# KiCad board JumperlessV5r7.kicad_pcb
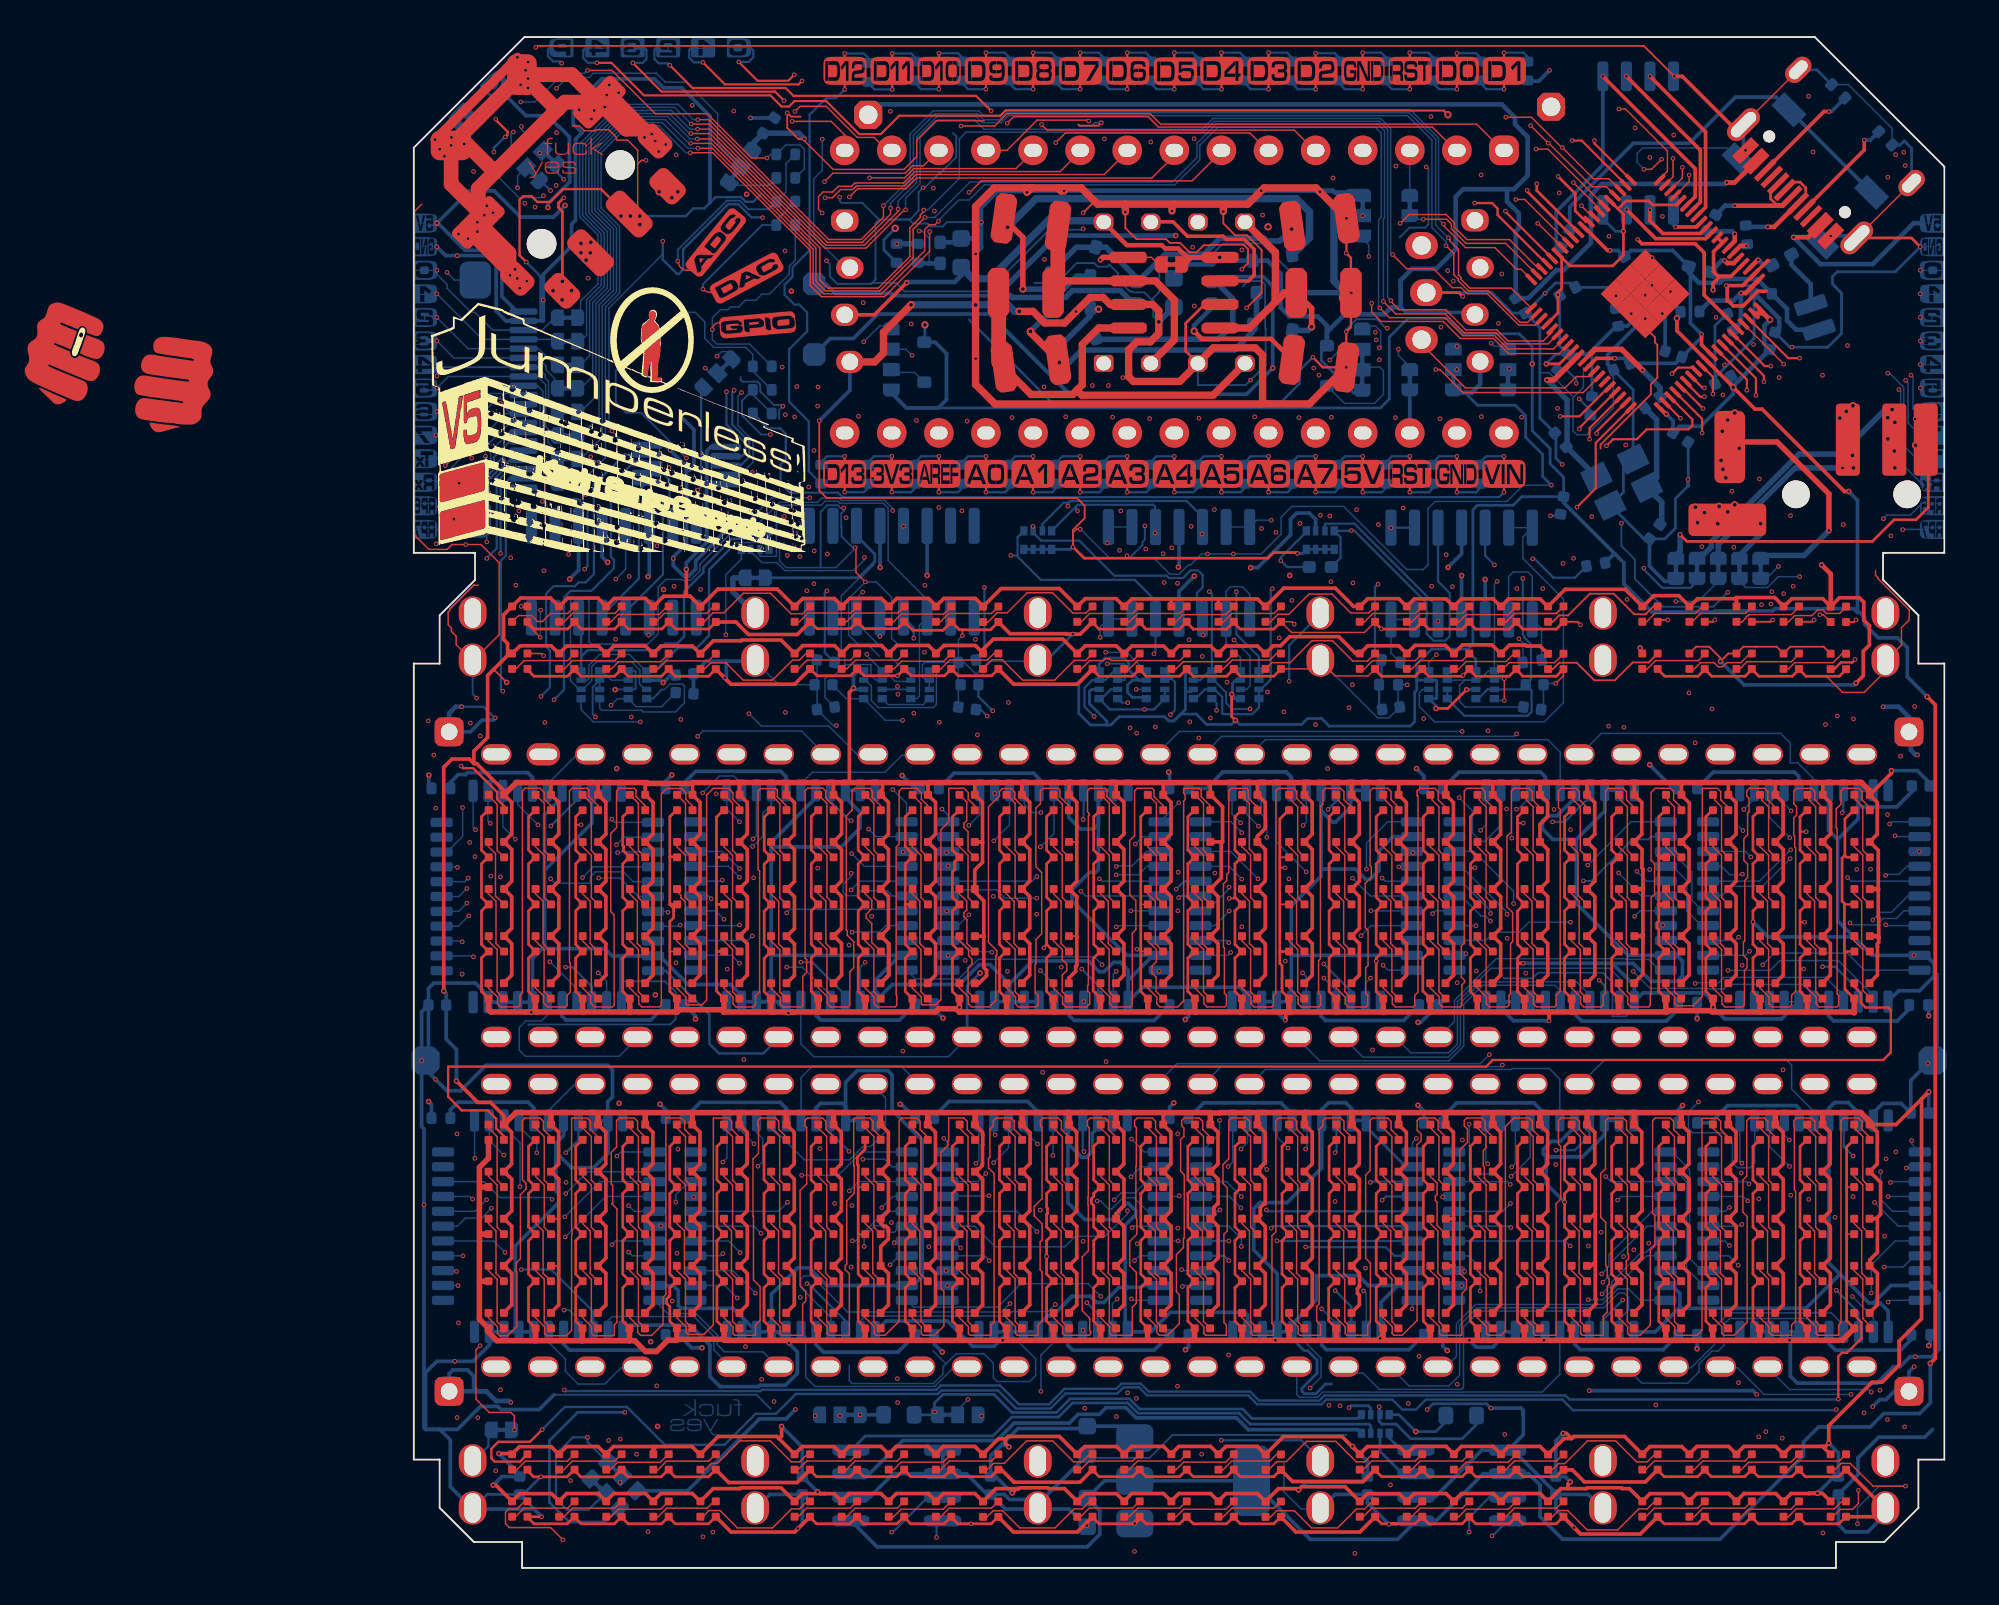
[diagram p0: board, top side]
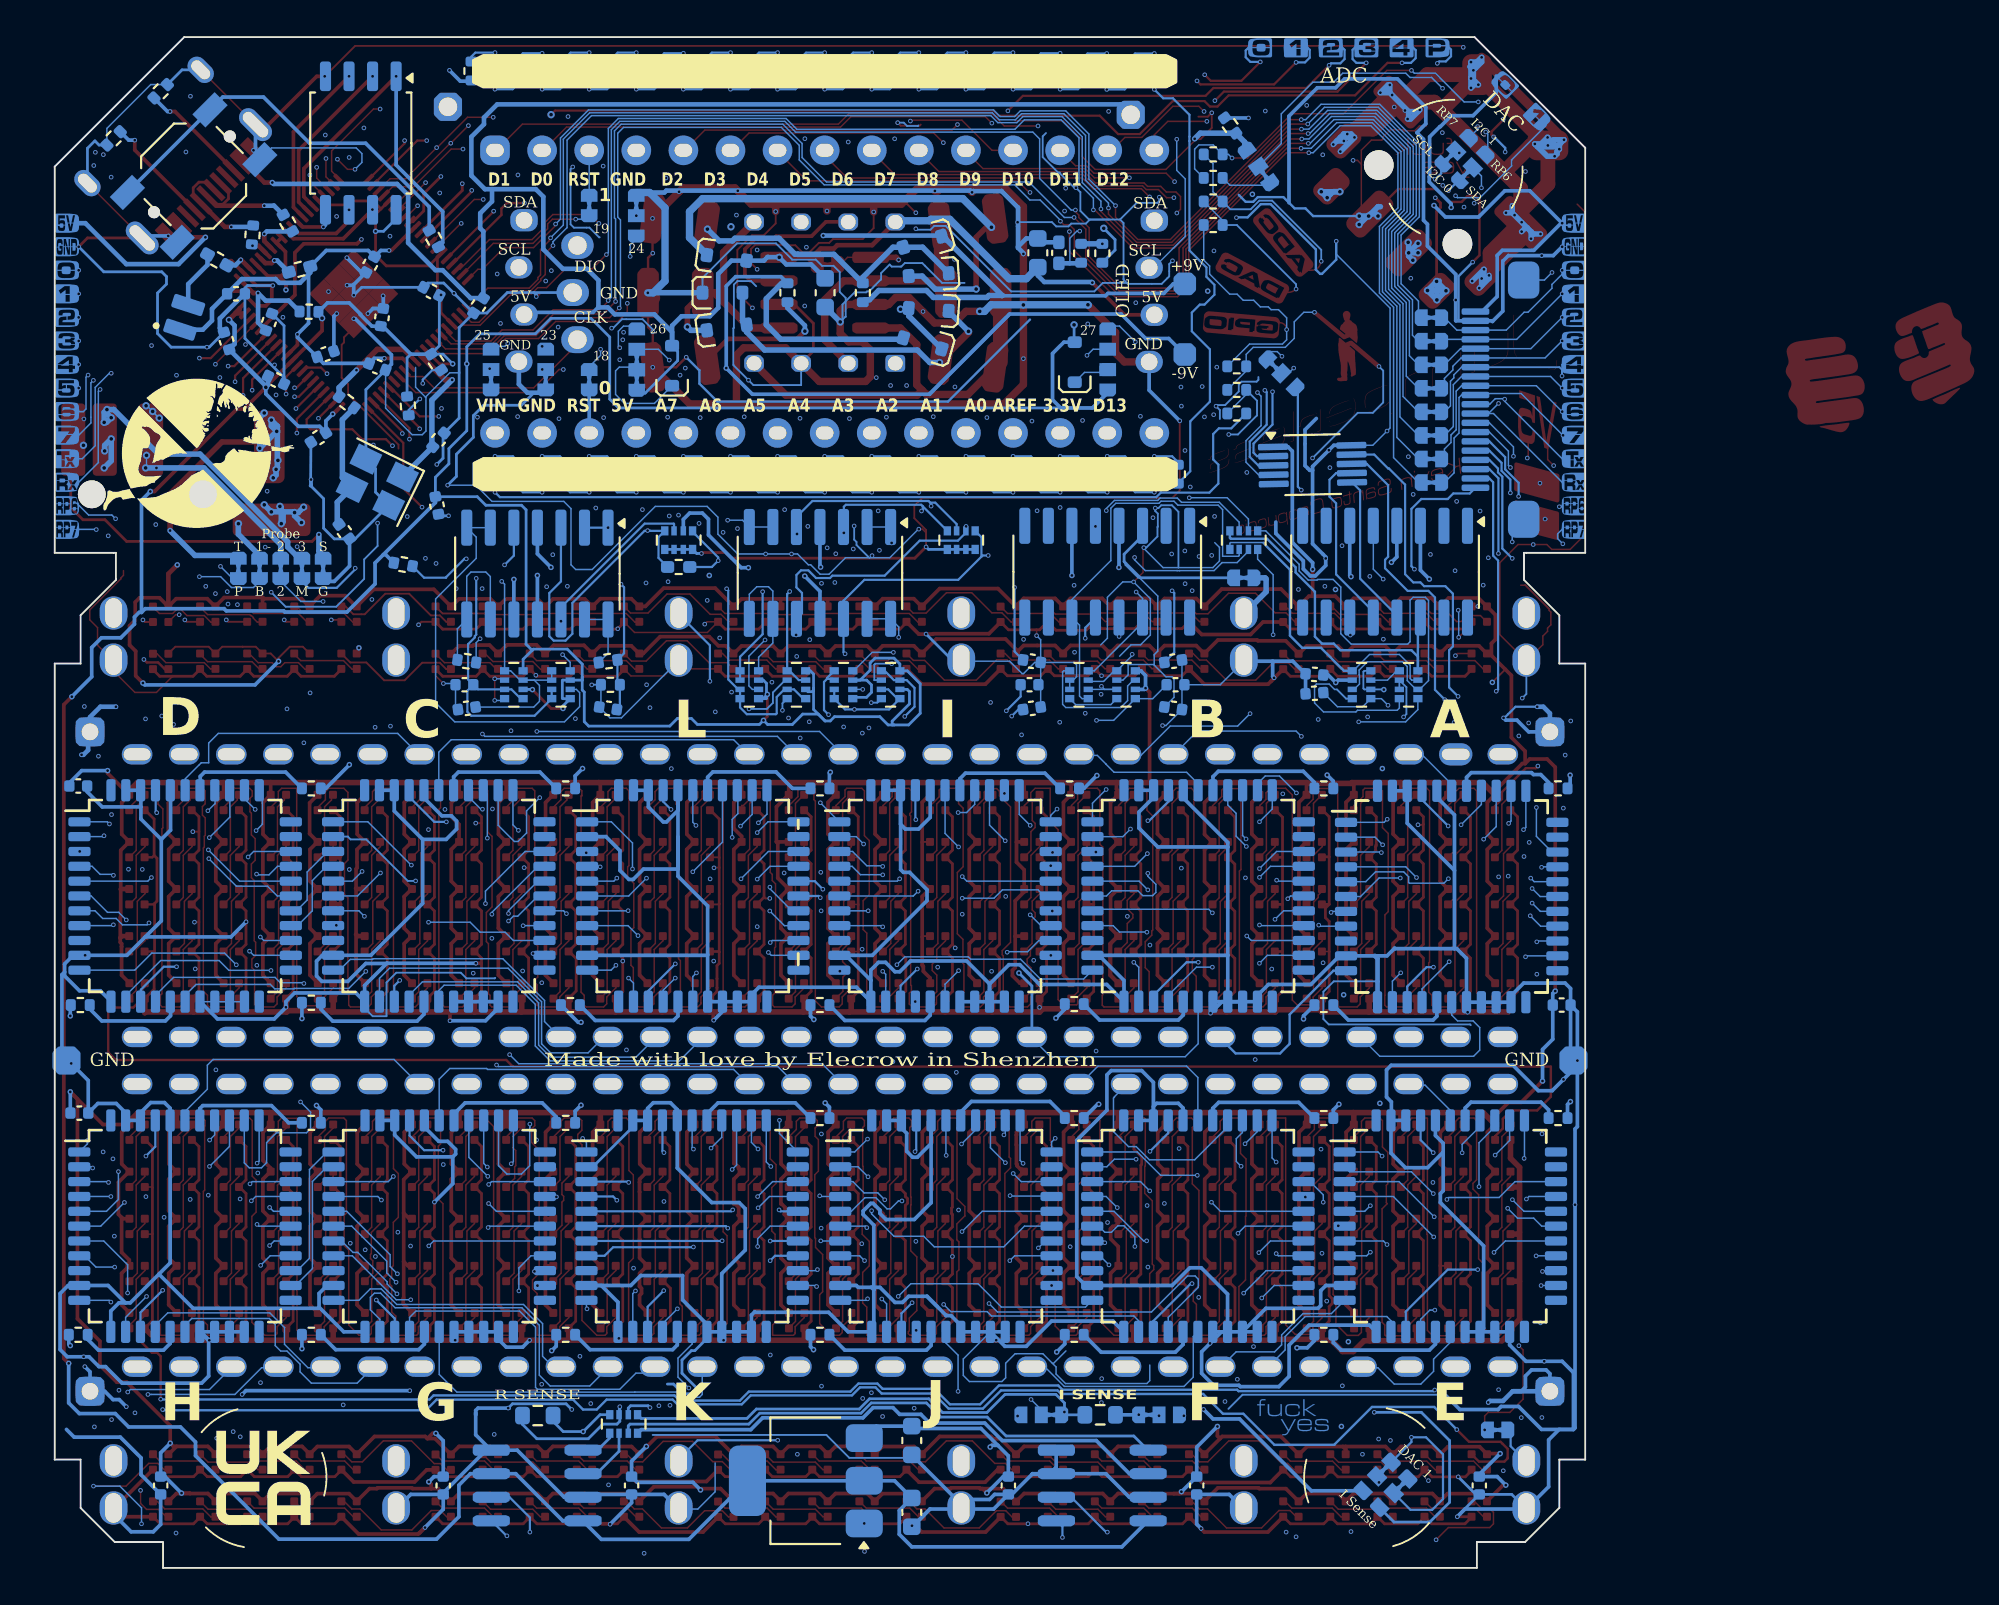
[diagram p1: board, bottom side, seen from below]

Outline 82.55 x 82.55 mm; copper layers: Top, In1.Cu, In2.Cu, Bottom. Coordinates in mm from the lower left corner of the outline.
Outline path: 0,54.74 0,76.58 5.97,82.55 75.56,82.55 82.55,75.57 82.55,54.74 79.25,54.74 79.25,53.28 81.15,51.37 81.15,48.77 82.55,48.77 82.55,5.84 81.15,5.84 81.15,3.24 79.31,1.4 76.71,1.4 76.71,0 5.84,0 5.84,1.4 3.24,1.4 1.4,3.24 1.4,5.84 0,5.84 0,48.77 1.4,48.77 1.4,51.37 3.3,53.28 3.3,54.74 0,54.74
Stack: Top 0.035mm / dielectric 0.1mm FR4 er 4.5 / In1.Cu 0.035mm / dielectric 1.24mm FR4 er 4.5 / In2.Cu 0.035mm / dielectric 0.1mm FR4 er 4.5 / Bottom 0.035mm

## Placement (name value [footprint] x y rotation side)
A1  Arduino_Nano_v3.x  [Arduino_Nano]  58.8 76.44 270 top
A2  CH446Q  [LQFP44_Tight]  6.79 36.61 180 bottom
B1  CH446Q  [LQFP44_Tight]  20.47 36.63 180 bottom
C1  100uF  [1210CAP]  48.83 72.57 8 top
C2  10uF  [1210CAP]  33.27 72.57 352 top
C3  10uF  [1210CAP]  33.02 68.76 180 top
C4  100uF  [1210CAP]  49.09 68.76 180 top
C5  10uF  [1210CAP]  33.27 64.95 8 top
C6  100uF  [1210CAP]  48.83 64.95 172 top
C7  10uF  [C_0603_1608Metric]  36.32 6.87 270 bottom
C8  10uF  [C_0603_1608Metric]  36.32 3 270 bottom
C9  10uF  [C_0603_1608Metric]  41 68.77 270 bottom
C10  .1uF  [C_0402_1005Metric]  14.61 47.17 356 bottom
C11  10uF  [C_0603_1608Metric]  29.52 70.92 90 bottom
C13  27p  [C_0402_1005Metric]  61.85 60.83 130 bottom
C14  27p  [C_0402_1005Metric]  66.93 55.88 234 bottom
C15  .1uF  [C_0402_1005Metric]  14.61 48.18 4 bottom
C16  4.7uF  [C_0402_1005Metric]  73.28 66.17 73 bottom
C18  1uF  [C_0402_1005Metric]  68.33 60.96 327.5 bottom
C19  1uF  [C_0402_1005Metric]  70.61 64.06 206 bottom
C20  1uF  [C_0402_1005Metric]  62.23 68.83 27.5 bottom
C21  1uF  [C_0402_1005Metric]  61.93 57.29 260 bottom
C22  .1uF  [C_0402_1005Metric]  64.9 67.44 98 bottom
C23  27p  [C_0402_1005Metric]  60.33 46.36 352 bottom
C24  27p  [C_0402_1005Metric]  60.45 47.62 0 bottom
C25  4.7uF  [C_0402_1005Metric]  72.77 68.71 180 bottom
C26  CH446Q  [LQFP44_Tight]  61.43 36.64 180 bottom
C27  .1uF  [C_0402_1005Metric_Pad0.74x0.62mm_HandSolder]  28.39 70.92 90 bottom
C28  1uF  [C_0402_1005Metric]  61.59 4.44 270 bottom
C29  1uF  [C_0402_1005Metric]  31.11 4.44 270 bottom
C30  1uF  [C_0402_1005Metric]  5.71 4.44 270 bottom
C31  1uF  [C_0402_1005Metric]  76.84 4.44 270 bottom
C32  1uF  [C_0402_1005Metric]  51.44 4.44 270 bottom
C33  1uF  [C_0402_1005Metric]  20.96 4.44 270 bottom
C34  1uF  [C_0402_1005Metric]  81.28 42.16 180 bottom
C35  1uF  [C_0402_1005Metric]  81.22 24.53 180 bottom
C36  1uF  [C_0402_1005Metric]  1.27 30.35 180 bottom
C37  1uF  [C_0402_1005Metric]  59.69 68.07 303 bottom
C38  .1uF  [C_0402_1005Metric]  67.95 65.46 161 bottom
C39  4.7uF  [C_0402_1005Metric]  70.99 67.18 110 bottom
C40  4.7uF  [C_0402_1005Metric]  65.53 70.28 299 bottom
C41  .1uF  [C_0402_1005Metric]  65.15 64.77 201 bottom
C42  27p  [C_0402_1005Metric]  29.85 46.36 172 bottom
C43  27p  [C_0402_1005Metric]  29.97 47.62 180 bottom
C44  27p  [C_0402_1005Metric]  22.22 48.9 172 bottom
C45  27p  [C_0402_1005Metric]  29.85 48.9 188 bottom
C46  .1uF  [C_0402_1005Metric]  52.7 46.36 8 bottom
C1806  1uF  [C_0402_1005Metric]  22.22 46.36 188 bottom
C1807  1uF  [C_0402_1005Metric]  22.1 47.62 180 bottom
D2  1N5819  [D_SOD-323]  27.53 65.02 90 bottom
D3  1N5819  [D_SOD-323]  49.25 64.83 90 bottom
D4  1N4148  [D_SOD-323]  35.74 66.03 16 bottom
D6  1N4148  [D_SOD-323]  35.41 69.74 356 bottom
D7  1N4148  [D_SOD-323]  35.74 71.52 344 bottom
D62  1N5819  [D_SOD-323]  46.3 70.64 188 bottom
D65  1N5819  [D_SOD-323]  46.31 66.89 172 bottom
D67  1N4148  [D_SOD-323]  35.41 67.86 4 bottom
D68  1N5819  [D_SOD-323]  46.53 68.77 180 bottom
D70  CH446Q  [LQFP44_Tight]  75.11 36.63 180 bottom
D1011  WS2812B  [XL-1010RGBC-WS2812B]  4.46 41.28 0 top
D1012  WS2812B  [XL-1010RGBC-WS2812B]  4.46 38.74 0 top
D1013  WS2812B  [XL-1010RGBC-WS2812B]  4.46 36.2 0 top
D1014  WS2812B  [XL-1010RGBC-WS2812B]  4.46 33.66 0 top
D1015  WS2812B  [XL-1010RGBC-WS2812B]  4.45 31.12 0 top
D1021  WS2812B  [XL-1010RGBC-WS2812B]  6.99 41.28 0 top
D1022  WS2812B  [XL-1010RGBC-WS2812B]  6.99 38.74 0 top
D1023  WS2812B  [XL-1010RGBC-WS2812B]  6.99 36.2 0 top
D1024  WS2812B  [XL-1010RGBC-WS2812B]  6.99 33.66 0 top
D1025  WS2812B  [XL-1010RGBC-WS2812B]  6.97 31.12 0 top
D1031  WS2812B  [XL-1010RGBC-WS2812B]  9.53 41.28 0 top
D1032  WS2812B  [XL-1010RGBC-WS2812B]  9.53 38.74 0 top
D1033  WS2812B  [XL-1010RGBC-WS2812B]  9.53 36.2 0 top
D1034  WS2812B  [XL-1010RGBC-WS2812B]  9.53 33.66 0 top
D1035  WS2812B  [XL-1010RGBC-WS2812B]  9.53 31.12 0 top
D1041  WS2812B  [XL-1010RGBC-WS2812B]  12.07 41.28 0 top
D1042  WS2812B  [XL-1010RGBC-WS2812B]  12.07 38.74 0 top
D1043  WS2812B  [XL-1010RGBC-WS2812B]  12.07 36.2 0 top
D1044  WS2812B  [XL-1010RGBC-WS2812B]  12.07 33.66 0 top
D1045  WS2812B  [XL-1010RGBC-WS2812B]  12.07 31.12 0 top
D1051  WS2812B  [XL-1010RGBC-WS2812B]  14.62 41.28 0 top
D1052  WS2812B  [XL-1010RGBC-WS2812B]  14.62 38.74 0 top
D1053  WS2812B  [XL-1010RGBC-WS2812B]  14.62 36.2 0 top
D1054  WS2812B  [XL-1010RGBC-WS2812B]  14.62 33.66 0 top
D1055  WS2812B  [XL-1010RGBC-WS2812B]  14.61 31.12 0 top
D1061  WS2812B  [XL-1010RGBC-WS2812B]  17.16 41.28 0 top
D1062  WS2812B  [XL-1010RGBC-WS2812B]  17.16 38.74 0 top
D1063  WS2812B  [XL-1010RGBC-WS2812B]  17.16 36.2 0 top
D1064  WS2812B  [XL-1010RGBC-WS2812B]  17.16 33.66 0 top
D1065  WS2812B  [XL-1010RGBC-WS2812B]  17.14 31.12 0 top
D1071  WS2812B  [XL-1010RGBC-WS2812B]  19.68 41.28 0 top
D1072  WS2812B  [XL-1010RGBC-WS2812B]  19.68 38.74 0 top
D1073  WS2812B  [XL-1010RGBC-WS2812B]  19.68 36.2 0 top
D1074  WS2812B  [XL-1010RGBC-WS2812B]  19.68 33.66 0 top
D1075  WS2812B  [XL-1010RGBC-WS2812B]  19.68 31.12 0 top
D1081  WS2812B  [XL-1010RGBC-WS2812B]  22.22 41.28 0 top
D1082  WS2812B  [XL-1010RGBC-WS2812B]  22.22 38.74 0 top
D1083  WS2812B  [XL-1010RGBC-WS2812B]  22.22 36.2 0 top
D1084  WS2812B  [XL-1010RGBC-WS2812B]  22.22 33.66 0 top
D1085  WS2812B  [XL-1010RGBC-WS2812B]  22.22 31.12 0 top
D1091  WS2812B  [XL-1010RGBC-WS2812B]  24.78 41.28 0 top
D1092  WS2812B  [XL-1010RGBC-WS2812B]  24.78 38.74 0 top
D1093  WS2812B  [XL-1010RGBC-WS2812B]  24.78 36.2 0 top
D1094  WS2812B  [XL-1010RGBC-WS2812B]  24.78 33.66 0 top
D1095  WS2812B  [XL-1010RGBC-WS2812B]  24.76 31.12 0 top
D1101  WS2812B  [XL-1010RGBC-WS2812B]  27.32 41.28 0 top
D1102  WS2812B  [XL-1010RGBC-WS2812B]  27.32 38.74 0 top
D1103  WS2812B  [XL-1010RGBC-WS2812B]  27.32 36.2 0 top
D1104  WS2812B  [XL-1010RGBC-WS2812B]  27.32 33.66 0 top
D1105  WS2812B  [XL-1010RGBC-WS2812B]  27.31 31.12 0 top
D1111  WS2812B  [XL-1010RGBC-WS2812B]  29.85 41.28 0 top
D1112  WS2812B  [XL-1010RGBC-WS2812B]  29.85 38.74 0 top
D1113  WS2812B  [XL-1010RGBC-WS2812B]  29.85 36.2 0 top
D1114  WS2812B  [XL-1010RGBC-WS2812B]  29.85 33.66 0 top
D1115  WS2812B  [XL-1010RGBC-WS2812B]  29.85 31.12 0 top
D1121  WS2812B  [XL-1010RGBC-WS2812B]  32.39 41.28 0 top
D1122  WS2812B  [XL-1010RGBC-WS2812B]  32.39 38.74 0 top
D1123  WS2812B  [XL-1010RGBC-WS2812B]  32.39 36.2 0 top
D1124  WS2812B  [XL-1010RGBC-WS2812B]  32.39 33.66 0 top
D1125  WS2812B  [XL-1010RGBC-WS2812B]  32.39 31.12 0 top
D1131  WS2812B  [XL-1010RGBC-WS2812B]  34.92 41.28 0 top
D1132  WS2812B  [XL-1010RGBC-WS2812B]  34.92 38.74 0 top
D1133  WS2812B  [XL-1010RGBC-WS2812B]  34.92 36.2 0 top
D1134  WS2812B  [XL-1010RGBC-WS2812B]  34.92 33.66 0 top
D1135  WS2812B  [XL-1010RGBC-WS2812B]  34.91 31.12 0 top
D1141  WS2812B  [XL-1010RGBC-WS2812B]  37.47 41.28 0 top
D1142  WS2812B  [XL-1010RGBC-WS2812B]  37.47 38.74 0 top
D1143  WS2812B  [XL-1010RGBC-WS2812B]  37.47 36.2 0 top
D1144  WS2812B  [XL-1010RGBC-WS2812B]  37.47 33.66 0 top
D1145  WS2812B  [XL-1010RGBC-WS2812B]  37.45 31.12 0 top
D1151  WS2812B  [XL-1010RGBC-WS2812B]  40.01 41.28 0 top
D1152  WS2812B  [XL-1010RGBC-WS2812B]  40.01 38.74 0 top
D1153  WS2812B  [XL-1010RGBC-WS2812B]  40.01 36.2 0 top
D1154  WS2812B  [XL-1010RGBC-WS2812B]  40.01 33.66 0 top
D1155  WS2812B  [XL-1010RGBC-WS2812B]  40.01 31.12 0 top
D1161  WS2812B  [XL-1010RGBC-WS2812B]  42.55 41.28 0 top
D1162  WS2812B  [XL-1010RGBC-WS2812B]  42.55 38.74 0 top
D1163  WS2812B  [XL-1010RGBC-WS2812B]  42.55 36.2 0 top
D1164  WS2812B  [XL-1010RGBC-WS2812B]  42.55 33.66 0 top
D1165  WS2812B  [XL-1010RGBC-WS2812B]  42.55 31.12 0 top
D1171  WS2812B  [XL-1010RGBC-WS2812B]  45.09 41.28 0 top
D1172  WS2812B  [XL-1010RGBC-WS2812B]  45.09 38.74 0 top
D1173  WS2812B  [XL-1010RGBC-WS2812B]  45.09 36.2 0 top
D1174  WS2812B  [XL-1010RGBC-WS2812B]  45.09 33.66 0 top
D1175  WS2812B  [XL-1010RGBC-WS2812B]  45.07 31.12 0 top
D1181  WS2812B  [XL-1010RGBC-WS2812B]  47.62 41.28 0 top
D1182  WS2812B  [XL-1010RGBC-WS2812B]  47.62 38.74 0 top
D1183  WS2812B  [XL-1010RGBC-WS2812B]  47.62 36.2 0 top
D1184  WS2812B  [XL-1010RGBC-WS2812B]  47.62 33.66 0 top
D1185  WS2812B  [XL-1010RGBC-WS2812B]  47.61 31.12 0 top
D1191  WS2812B  [XL-1010RGBC-WS2812B]  50.17 41.28 0 top
D1192  WS2812B  [XL-1010RGBC-WS2812B]  50.17 38.74 0 top
D1193  WS2812B  [XL-1010RGBC-WS2812B]  50.17 36.2 0 top
D1194  WS2812B  [XL-1010RGBC-WS2812B]  50.17 33.66 0 top
D1195  WS2812B  [XL-1010RGBC-WS2812B]  50.17 31.12 0 top
D1201  WS2812B  [XL-1010RGBC-WS2812B]  52.7 41.28 0 top
D1202  WS2812B  [XL-1010RGBC-WS2812B]  52.7 38.74 0 top
D1203  WS2812B  [XL-1010RGBC-WS2812B]  52.7 36.2 0 top
D1204  WS2812B  [XL-1010RGBC-WS2812B]  52.7 33.66 0 top
D1205  WS2812B  [XL-1010RGBC-WS2812B]  52.7 31.12 0 top
D1211  WS2812B  [XL-1010RGBC-WS2812B]  55.25 41.28 0 top
D1212  WS2812B  [XL-1010RGBC-WS2812B]  55.25 38.74 0 top
D1213  WS2812B  [XL-1010RGBC-WS2812B]  55.25 36.2 0 top
D1214  WS2812B  [XL-1010RGBC-WS2812B]  55.25 33.66 0 top
D1215  WS2812B  [XL-1010RGBC-WS2812B]  55.23 31.12 0 top
D1221  WS2812B  [XL-1010RGBC-WS2812B]  57.79 41.28 0 top
D1222  WS2812B  [XL-1010RGBC-WS2812B]  57.79 38.74 0 top
D1223  WS2812B  [XL-1010RGBC-WS2812B]  57.79 36.2 0 top
D1224  WS2812B  [XL-1010RGBC-WS2812B]  57.79 33.66 0 top
D1225  WS2812B  [XL-1010RGBC-WS2812B]  57.77 31.12 0 top
D1231  WS2812B  [XL-1010RGBC-WS2812B]  60.33 41.28 0 top
D1232  WS2812B  [XL-1010RGBC-WS2812B]  60.33 38.74 0 top
D1233  WS2812B  [XL-1010RGBC-WS2812B]  60.33 36.2 0 top
D1234  WS2812B  [XL-1010RGBC-WS2812B]  60.33 33.66 0 top
D1235  WS2812B  [XL-1010RGBC-WS2812B]  60.33 31.12 0 top
D1241  WS2812B  [XL-1010RGBC-WS2812B]  62.87 41.28 0 top
D1242  WS2812B  [XL-1010RGBC-WS2812B]  62.87 38.74 0 top
D1243  WS2812B  [XL-1010RGBC-WS2812B]  62.87 36.2 0 top
D1244  WS2812B  [XL-1010RGBC-WS2812B]  62.87 33.66 0 top
D1245  WS2812B  [XL-1010RGBC-WS2812B]  62.87 31.12 0 top
D1251  WS2812B  [XL-1010RGBC-WS2812B]  65.42 41.28 0 top
D1252  WS2812B  [XL-1010RGBC-WS2812B]  65.42 38.74 0 top
D1253  WS2812B  [XL-1010RGBC-WS2812B]  65.42 36.2 0 top
D1254  WS2812B  [XL-1010RGBC-WS2812B]  65.42 33.66 0 top
D1255  WS2812B  [XL-1010RGBC-WS2812B]  65.41 31.12 0 top
D1261  WS2812B  [XL-1010RGBC-WS2812B]  67.96 41.28 0 top
D1262  WS2812B  [XL-1010RGBC-WS2812B]  67.96 38.74 0 top
D1263  WS2812B  [XL-1010RGBC-WS2812B]  67.96 36.2 0 top
D1264  WS2812B  [XL-1010RGBC-WS2812B]  67.96 33.66 0 top
D1265  WS2812B  [XL-1010RGBC-WS2812B]  67.95 31.12 0 top
D1271  WS2812B  [XL-1010RGBC-WS2812B]  70.48 41.28 0 top
D1272  WS2812B  [XL-1010RGBC-WS2812B]  70.48 38.74 0 top
D1273  WS2812B  [XL-1010RGBC-WS2812B]  70.48 36.2 0 top
D1274  WS2812B  [XL-1010RGBC-WS2812B]  70.48 33.66 0 top
D1275  WS2812B  [XL-1010RGBC-WS2812B]  70.48 31.12 0 top
D1281  WS2812B  [XL-1010RGBC-WS2812B]  73.03 41.28 0 top
D1282  WS2812B  [XL-1010RGBC-WS2812B]  73.03 38.74 0 top
D1283  WS2812B  [XL-1010RGBC-WS2812B]  73.03 36.2 0 top
D1284  WS2812B  [XL-1010RGBC-WS2812B]  73.03 33.66 0 top
D1285  WS2812B  [XL-1010RGBC-WS2812B]  73.03 31.12 0 top
D1291  WS2812B  [XL-1010RGBC-WS2812B]  75.58 41.28 0 top
D1292  WS2812B  [XL-1010RGBC-WS2812B]  75.58 38.74 0 top
D1293  WS2812B  [XL-1010RGBC-WS2812B]  75.58 36.2 0 top
D1294  WS2812B  [XL-1010RGBC-WS2812B]  75.58 33.66 0 top
D1295  WS2812B  [XL-1010RGBC-WS2812B]  75.56 31.12 0 top
D1301  WS2812B  [XL-1010RGBC-WS2812B]  78.12 41.28 0 top
D1302  WS2812B  [XL-1010RGBC-WS2812B]  78.12 38.74 0 top
D1303  WS2812B  [XL-1010RGBC-WS2812B]  78.12 36.2 0 top
D1304  WS2812B  [XL-1010RGBC-WS2812B]  78.12 33.66 0 top
D1305  WS2812B  [XL-1010RGBC-WS2812B]  78.11 31.12 0 top
D1311  WS2812B  [XL-1010RGBC-WS2812B]  4.45 23.5 0 top
D1312  WS2812B  [XL-1010RGBC-WS2812B]  4.45 20.96 0 top
D1313  WS2812B  [XL-1010RGBC-WS2812B]  4.45 18.42 0 top
D1314  WS2812B  [XL-1010RGBC-WS2812B]  4.45 15.88 0 top
D1315  WS2812B  [XL-1010RGBC-WS2812B]  4.45 13.34 0 top
D1321  WS2812B  [XL-1010RGBC-WS2812B]  6.99 23.5 0 top
D1322  WS2812B  [XL-1010RGBC-WS2812B]  6.99 20.96 0 top
D1323  WS2812B  [XL-1010RGBC-WS2812B]  6.99 18.42 0 top
D1324  WS2812B  [XL-1010RGBC-WS2812B]  6.99 15.88 0 top
D1325  WS2812B  [XL-1010RGBC-WS2812B]  6.99 13.34 0 top
D1331  WS2812B  [XL-1010RGBC-WS2812B]  9.53 23.5 0 top
D1332  WS2812B  [XL-1010RGBC-WS2812B]  9.53 20.96 0 top
D1333  WS2812B  [XL-1010RGBC-WS2812B]  9.53 18.42 0 top
D1334  WS2812B  [XL-1010RGBC-WS2812B]  9.53 15.88 0 top
D1335  WS2812B  [XL-1010RGBC-WS2812B]  9.51 13.34 0 top
D1341  WS2812B  [XL-1010RGBC-WS2812B]  12.07 23.5 0 top
D1342  WS2812B  [XL-1010RGBC-WS2812B]  12.07 20.96 0 top
D1343  WS2812B  [XL-1010RGBC-WS2812B]  12.07 18.42 0 top
D1344  WS2812B  [XL-1010RGBC-WS2812B]  12.07 15.88 0 top
D1345  WS2812B  [XL-1010RGBC-WS2812B]  12.05 13.34 0 top
D1351  WS2812B  [XL-1010RGBC-WS2812B]  14.61 23.5 0 top
D1352  WS2812B  [XL-1010RGBC-WS2812B]  14.61 20.96 0 top
D1353  WS2812B  [XL-1010RGBC-WS2812B]  14.61 18.42 0 top
D1354  WS2812B  [XL-1010RGBC-WS2812B]  14.61 15.88 0 top
D1355  WS2812B  [XL-1010RGBC-WS2812B]  14.61 13.34 0 top
D1361  WS2812B  [XL-1010RGBC-WS2812B]  17.14 23.5 0 top
D1362  WS2812B  [XL-1010RGBC-WS2812B]  17.14 20.96 0 top
D1363  WS2812B  [XL-1010RGBC-WS2812B]  17.14 18.42 0 top
D1364  WS2812B  [XL-1010RGBC-WS2812B]  17.14 15.88 0 top
D1365  WS2812B  [XL-1010RGBC-WS2812B]  17.14 13.34 0 top
D1371  WS2812B  [XL-1010RGBC-WS2812B]  19.68 23.5 0 top
D1372  WS2812B  [XL-1010RGBC-WS2812B]  19.68 20.96 0 top
D1373  WS2812B  [XL-1010RGBC-WS2812B]  19.68 18.42 0 top
D1374  WS2812B  [XL-1010RGBC-WS2812B]  19.68 15.88 0 top
D1375  WS2812B  [XL-1010RGBC-WS2812B]  19.67 13.34 0 top
D1381  WS2812B  [XL-1010RGBC-WS2812B]  22.22 23.5 0 top
D1382  WS2812B  [XL-1010RGBC-WS2812B]  22.22 20.96 0 top
D1383  WS2812B  [XL-1010RGBC-WS2812B]  22.22 18.42 0 top
D1384  WS2812B  [XL-1010RGBC-WS2812B]  22.22 15.88 0 top
D1385  WS2812B  [XL-1010RGBC-WS2812B]  22.21 13.34 0 top
D1391  WS2812B  [XL-1010RGBC-WS2812B]  24.76 23.5 0 top
D1392  WS2812B  [XL-1010RGBC-WS2812B]  24.76 20.96 0 top
D1393  WS2812B  [XL-1010RGBC-WS2812B]  24.76 18.42 0 top
D1394  WS2812B  [XL-1010RGBC-WS2812B]  24.76 15.88 0 top
D1395  WS2812B  [XL-1010RGBC-WS2812B]  24.76 13.34 0 top
D1401  WS2812B  [XL-1010RGBC-WS2812B]  27.31 23.5 0 top
D1402  WS2812B  [XL-1010RGBC-WS2812B]  27.31 20.96 0 top
D1403  WS2812B  [XL-1010RGBC-WS2812B]  27.31 18.42 0 top
D1404  WS2812B  [XL-1010RGBC-WS2812B]  27.31 15.88 0 top
D1405  WS2812B  [XL-1010RGBC-WS2812B]  27.31 13.34 0 top
D1411  WS2812B  [XL-1010RGBC-WS2812B]  29.86 23.5 0 top
D1412  WS2812B  [XL-1010RGBC-WS2812B]  29.86 20.96 0 top
D1413  WS2812B  [XL-1010RGBC-WS2812B]  29.86 18.42 0 top
D1414  WS2812B  [XL-1010RGBC-WS2812B]  29.86 15.88 0 top
D1415  WS2812B  [XL-1010RGBC-WS2812B]  29.85 13.34 0 top
D1421  WS2812B  [XL-1010RGBC-WS2812B]  32.4 23.5 0 top
D1422  WS2812B  [XL-1010RGBC-WS2812B]  32.4 20.96 0 top
D1423  WS2812B  [XL-1010RGBC-WS2812B]  32.4 18.42 0 top
D1424  WS2812B  [XL-1010RGBC-WS2812B]  32.4 15.88 0 top
D1425  WS2812B  [XL-1010RGBC-WS2812B]  32.39 13.34 0 top
D1431  WS2812B  [XL-1010RGBC-WS2812B]  34.92 23.5 0 top
D1432  WS2812B  [XL-1010RGBC-WS2812B]  34.92 20.96 0 top
D1433  WS2812B  [XL-1010RGBC-WS2812B]  34.92 18.42 0 top
D1434  WS2812B  [XL-1010RGBC-WS2812B]  34.92 15.88 0 top
D1435  WS2812B  [XL-1010RGBC-WS2812B]  34.92 13.34 0 top
D1441  WS2812B  [XL-1010RGBC-WS2812B]  37.47 23.5 0 top
D1442  WS2812B  [XL-1010RGBC-WS2812B]  37.47 20.96 0 top
D1443  WS2812B  [XL-1010RGBC-WS2812B]  37.47 18.42 0 top
D1444  WS2812B  [XL-1010RGBC-WS2812B]  37.47 15.88 0 top
D1445  WS2812B  [XL-1010RGBC-WS2812B]  37.47 13.34 0 top
D1451  WS2812B  [XL-1010RGBC-WS2812B]  40.01 23.5 0 top
D1452  WS2812B  [XL-1010RGBC-WS2812B]  40.01 20.96 0 top
D1453  WS2812B  [XL-1010RGBC-WS2812B]  40.01 18.42 0 top
D1454  WS2812B  [XL-1010RGBC-WS2812B]  40.01 15.88 0 top
D1455  WS2812B  [XL-1010RGBC-WS2812B]  39.99 13.34 0 top
D1461  WS2812B  [XL-1010RGBC-WS2812B]  42.55 23.5 0 top
D1462  WS2812B  [XL-1010RGBC-WS2812B]  42.55 20.96 0 top
D1463  WS2812B  [XL-1010RGBC-WS2812B]  42.55 18.42 0 top
D1464  WS2812B  [XL-1010RGBC-WS2812B]  42.55 15.88 0 top
D1465  WS2812B  [XL-1010RGBC-WS2812B]  42.53 13.34 0 top
D1471  WS2812B  [XL-1010RGBC-WS2812B]  45.09 23.5 0 top
D1472  WS2812B  [XL-1010RGBC-WS2812B]  45.09 20.96 0 top
D1473  WS2812B  [XL-1010RGBC-WS2812B]  45.09 18.42 0 top
D1474  WS2812B  [XL-1010RGBC-WS2812B]  45.09 15.88 0 top
D1475  WS2812B  [XL-1010RGBC-WS2812B]  45.09 13.34 0 top
D1481  WS2812B  [XL-1010RGBC-WS2812B]  47.62 23.5 0 top
D1482  WS2812B  [XL-1010RGBC-WS2812B]  47.62 20.96 0 top
D1483  WS2812B  [XL-1010RGBC-WS2812B]  47.62 18.42 0 top
D1484  WS2812B  [XL-1010RGBC-WS2812B]  47.62 15.88 0 top
D1485  WS2812B  [XL-1010RGBC-WS2812B]  47.62 13.34 0 top
D1491  WS2812B  [XL-1010RGBC-WS2812B]  50.18 23.5 0 top
D1492  WS2812B  [XL-1010RGBC-WS2812B]  50.18 20.96 0 top
D1493  WS2812B  [XL-1010RGBC-WS2812B]  50.18 18.42 0 top
D1494  WS2812B  [XL-1010RGBC-WS2812B]  50.18 15.88 0 top
D1495  WS2812B  [XL-1010RGBC-WS2812B]  50.17 13.34 0 top
D1501  WS2812B  [XL-1010RGBC-WS2812B]  52.7 23.5 0 top
D1502  WS2812B  [XL-1010RGBC-WS2812B]  52.7 20.96 0 top
D1503  WS2812B  [XL-1010RGBC-WS2812B]  52.7 18.42 0 top
D1504  WS2812B  [XL-1010RGBC-WS2812B]  52.7 15.88 0 top
D1505  WS2812B  [XL-1010RGBC-WS2812B]  52.69 13.34 0 top
D1511  WS2812B  [XL-1010RGBC-WS2812B]  55.25 23.5 0 top
D1512  WS2812B  [XL-1010RGBC-WS2812B]  55.25 20.96 0 top
D1513  WS2812B  [XL-1010RGBC-WS2812B]  55.25 18.42 0 top
D1514  WS2812B  [XL-1010RGBC-WS2812B]  55.25 15.88 0 top
D1515  WS2812B  [XL-1010RGBC-WS2812B]  55.25 13.34 0 top
D1521  WS2812B  [XL-1010RGBC-WS2812B]  57.79 23.5 0 top
D1522  WS2812B  [XL-1010RGBC-WS2812B]  57.79 20.96 0 top
D1523  WS2812B  [XL-1010RGBC-WS2812B]  57.79 18.42 0 top
D1524  WS2812B  [XL-1010RGBC-WS2812B]  57.79 15.88 0 top
D1525  WS2812B  [XL-1010RGBC-WS2812B]  57.79 13.34 0 top
D1531  WS2812B  [XL-1010RGBC-WS2812B]  60.33 23.5 0 top
D1532  WS2812B  [XL-1010RGBC-WS2812B]  60.33 20.96 0 top
D1533  WS2812B  [XL-1010RGBC-WS2812B]  60.33 18.42 0 top
D1534  WS2812B  [XL-1010RGBC-WS2812B]  60.33 15.88 0 top
D1535  WS2812B  [XL-1010RGBC-WS2812B]  60.31 13.34 0 top
D1541  WS2812B  [XL-1010RGBC-WS2812B]  62.87 23.5 0 top
D1542  WS2812B  [XL-1010RGBC-WS2812B]  62.87 20.96 0 top
D1543  WS2812B  [XL-1010RGBC-WS2812B]  62.87 18.42 0 top
D1544  WS2812B  [XL-1010RGBC-WS2812B]  62.87 15.88 0 top
D1545  WS2812B  [XL-1010RGBC-WS2812B]  62.85 13.34 0 top
D1551  WS2812B  [XL-1010RGBC-WS2812B]  65.41 23.5 0 top
D1552  WS2812B  [XL-1010RGBC-WS2812B]  65.41 20.96 0 top
D1553  WS2812B  [XL-1010RGBC-WS2812B]  65.41 18.42 0 top
D1554  WS2812B  [XL-1010RGBC-WS2812B]  65.41 15.88 0 top
D1555  WS2812B  [XL-1010RGBC-WS2812B]  65.41 13.34 0 top